# Altium PCB Thermostat.PCBDOC (part 1 of 5)
Units mil, origin at the board's own origin, x right, y up, seen from the top; angles counter-clockwise.
Board outline 4724.41 x 1988.19 mil, 4 copper layers (TOP, G1, L2, BOT), stack 61.023 mil thick; 417 components, 243 nets, 1244 pads, 695 vias.
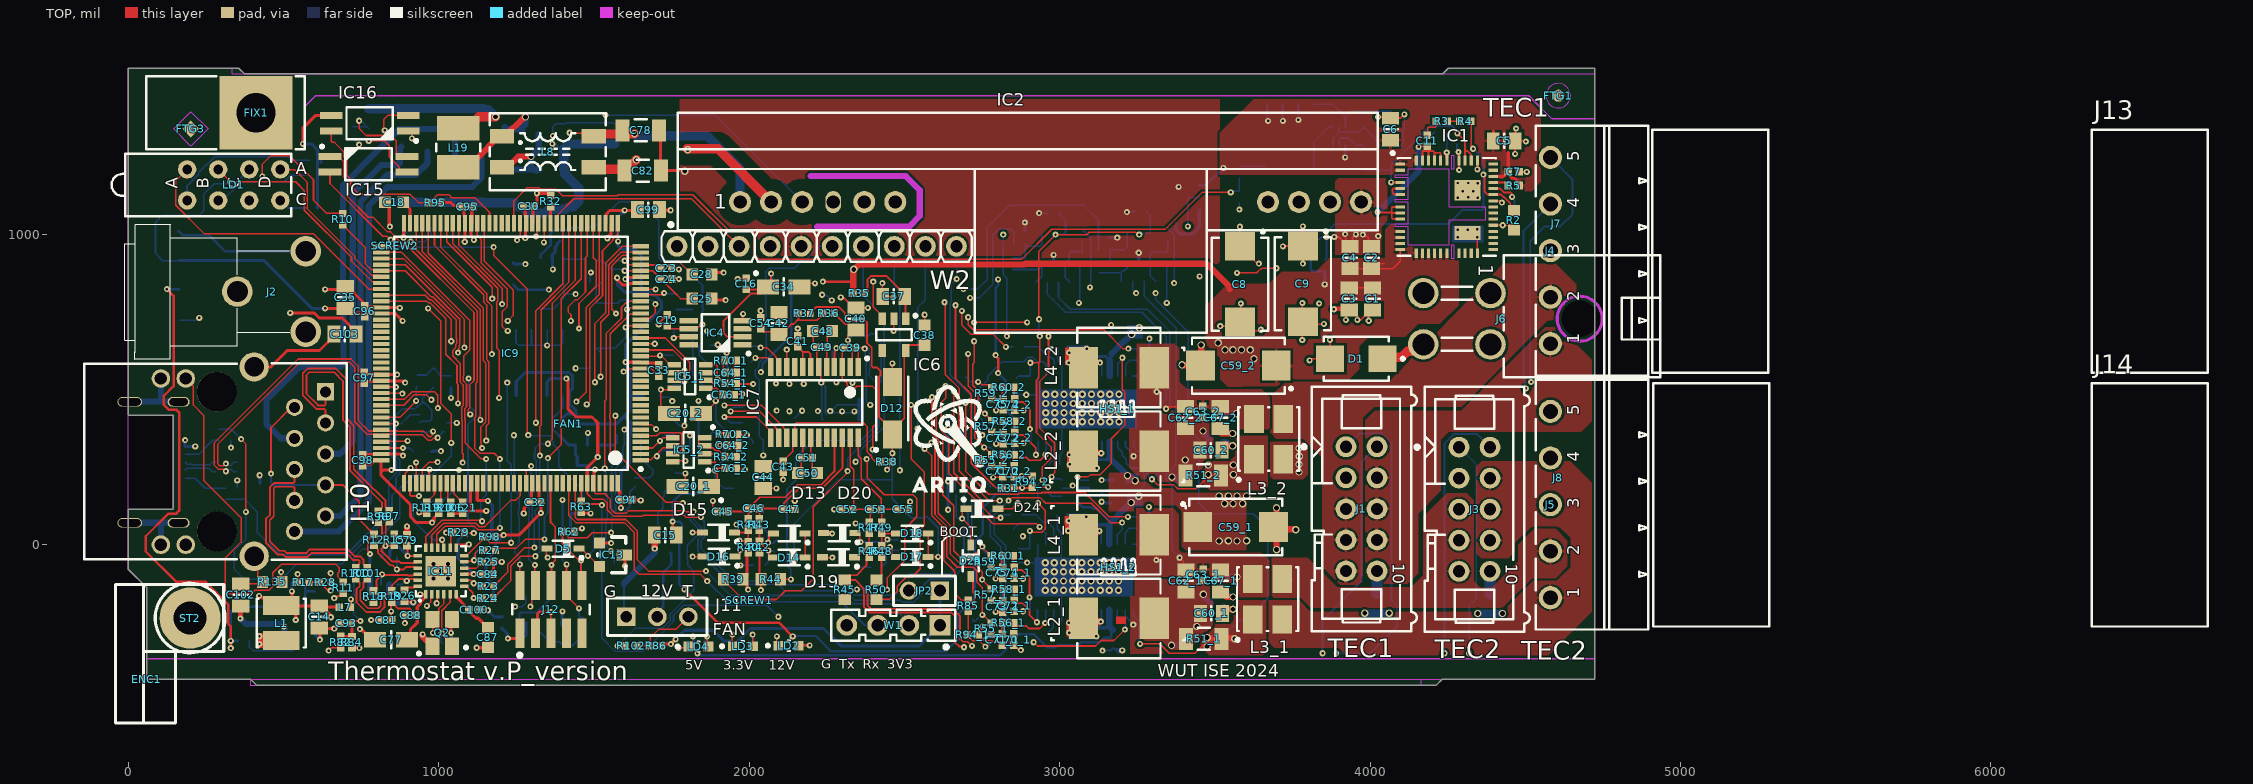
[diagram p0: TOP view]
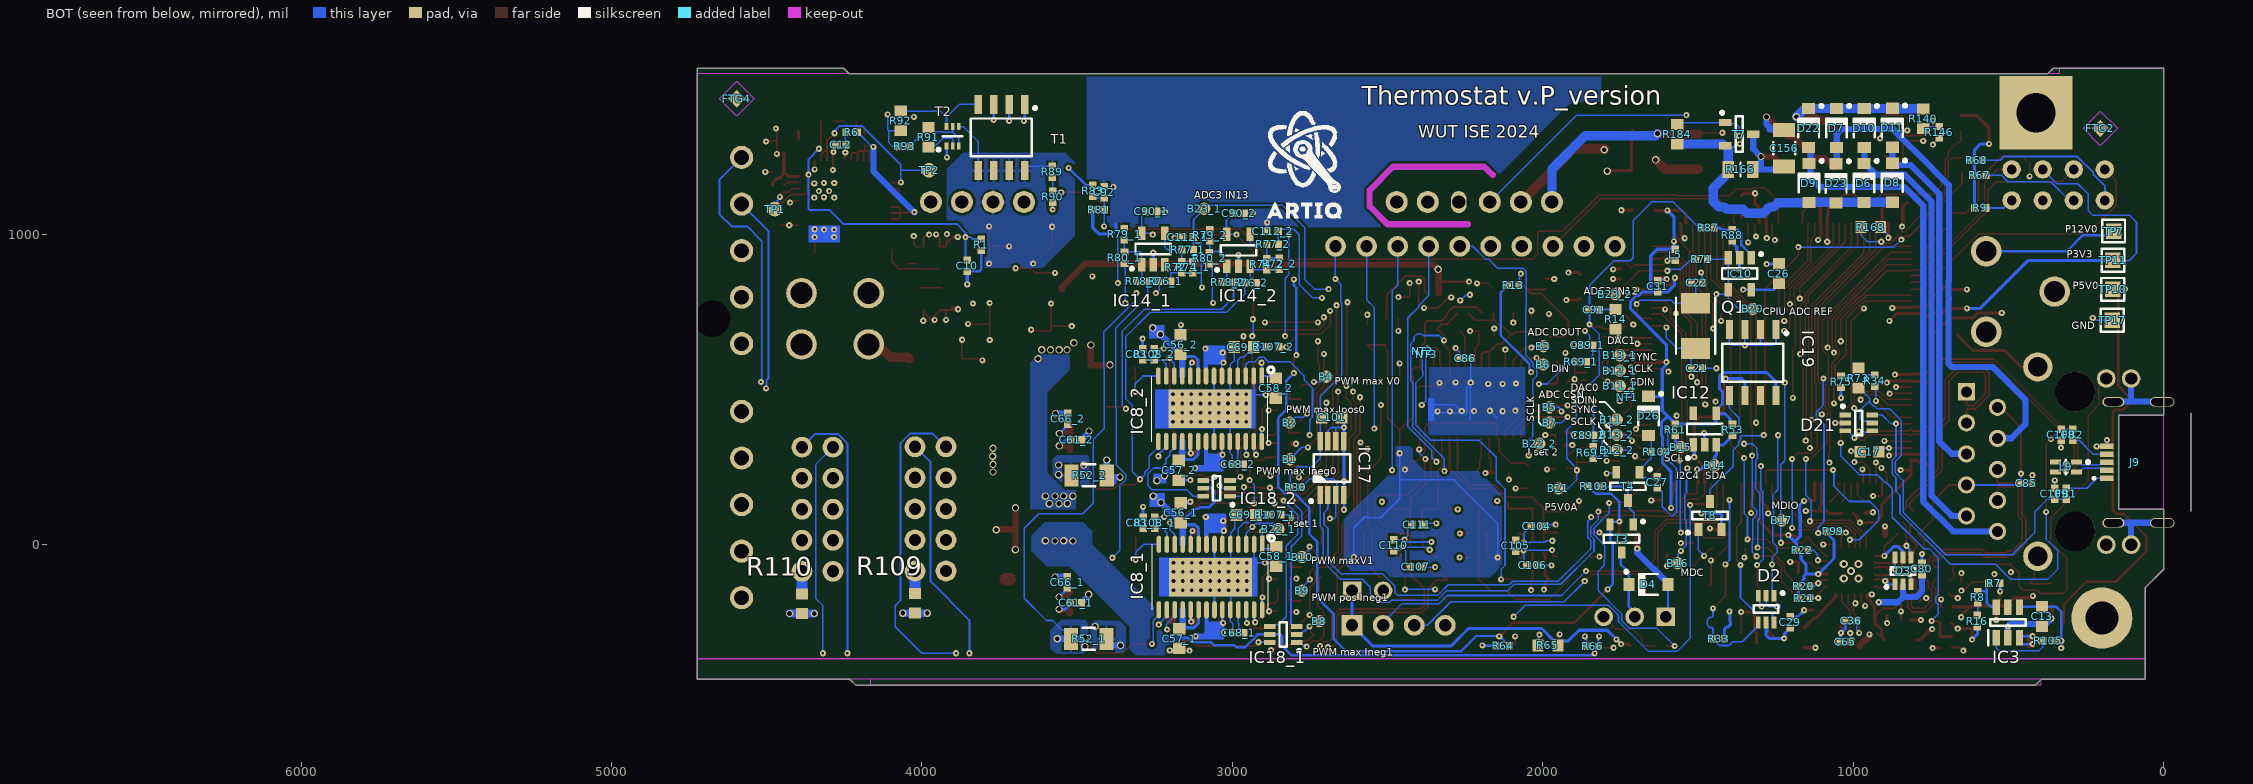
[diagram p1: BOT view, seen from below]
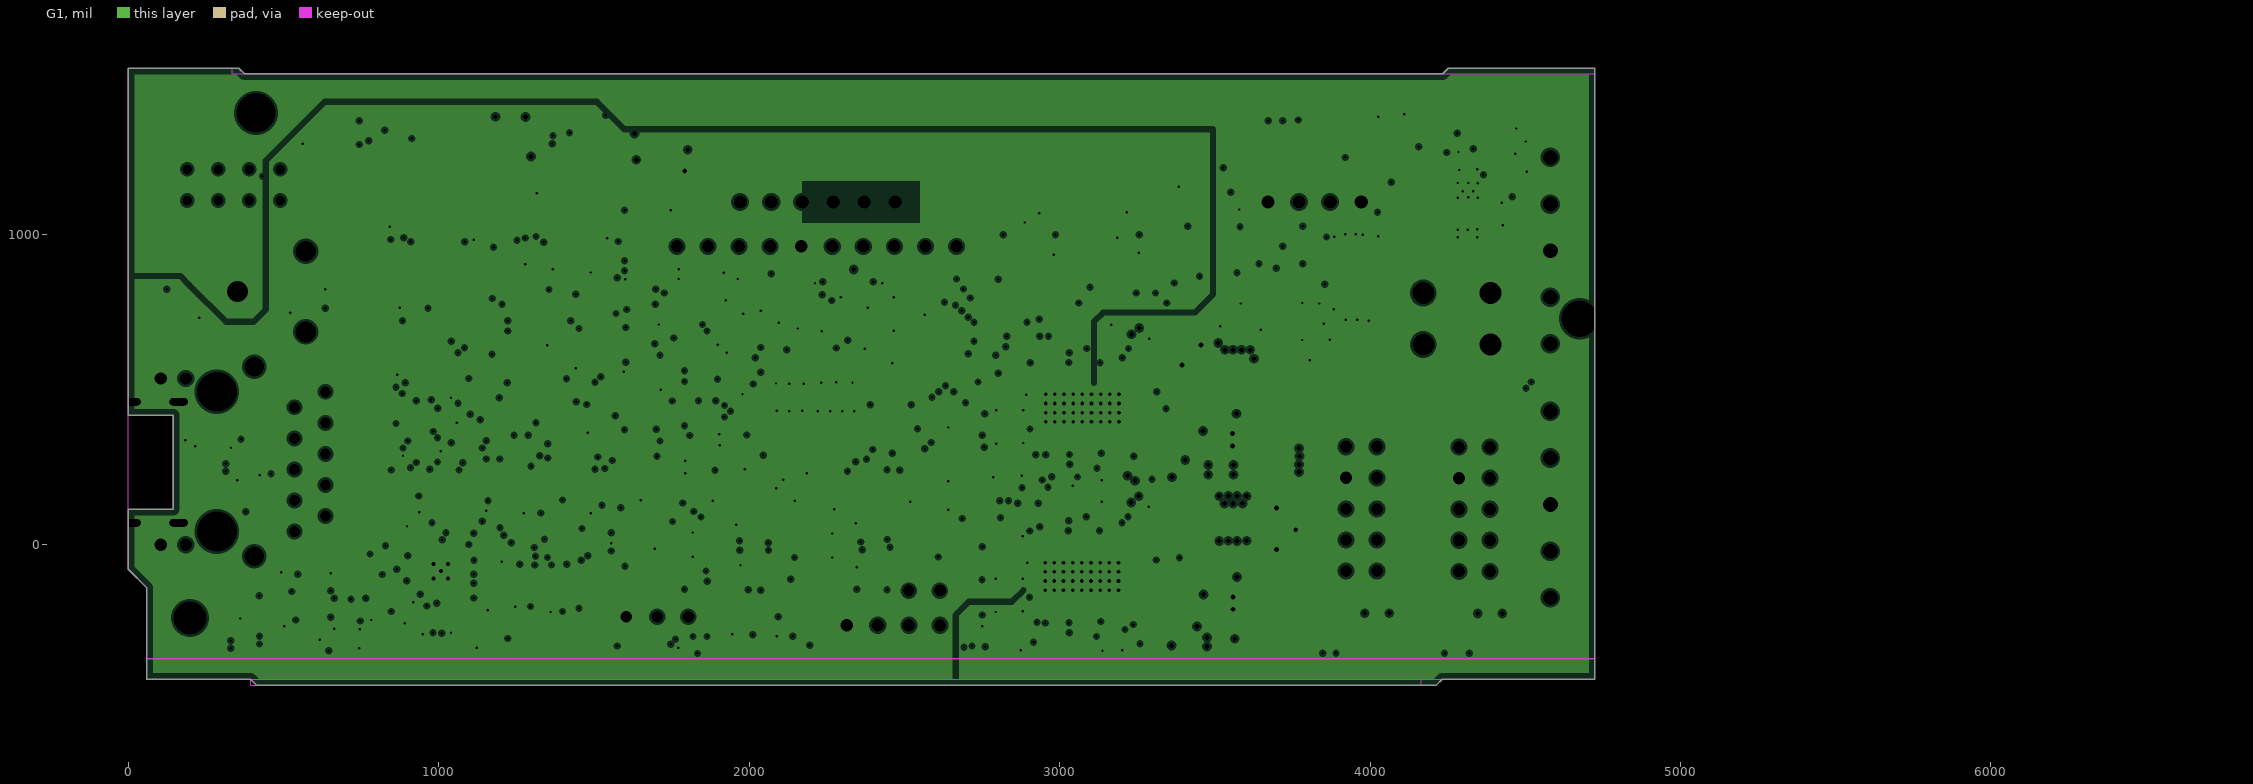
[diagram p2: G1, clearances drawn from the general rule]
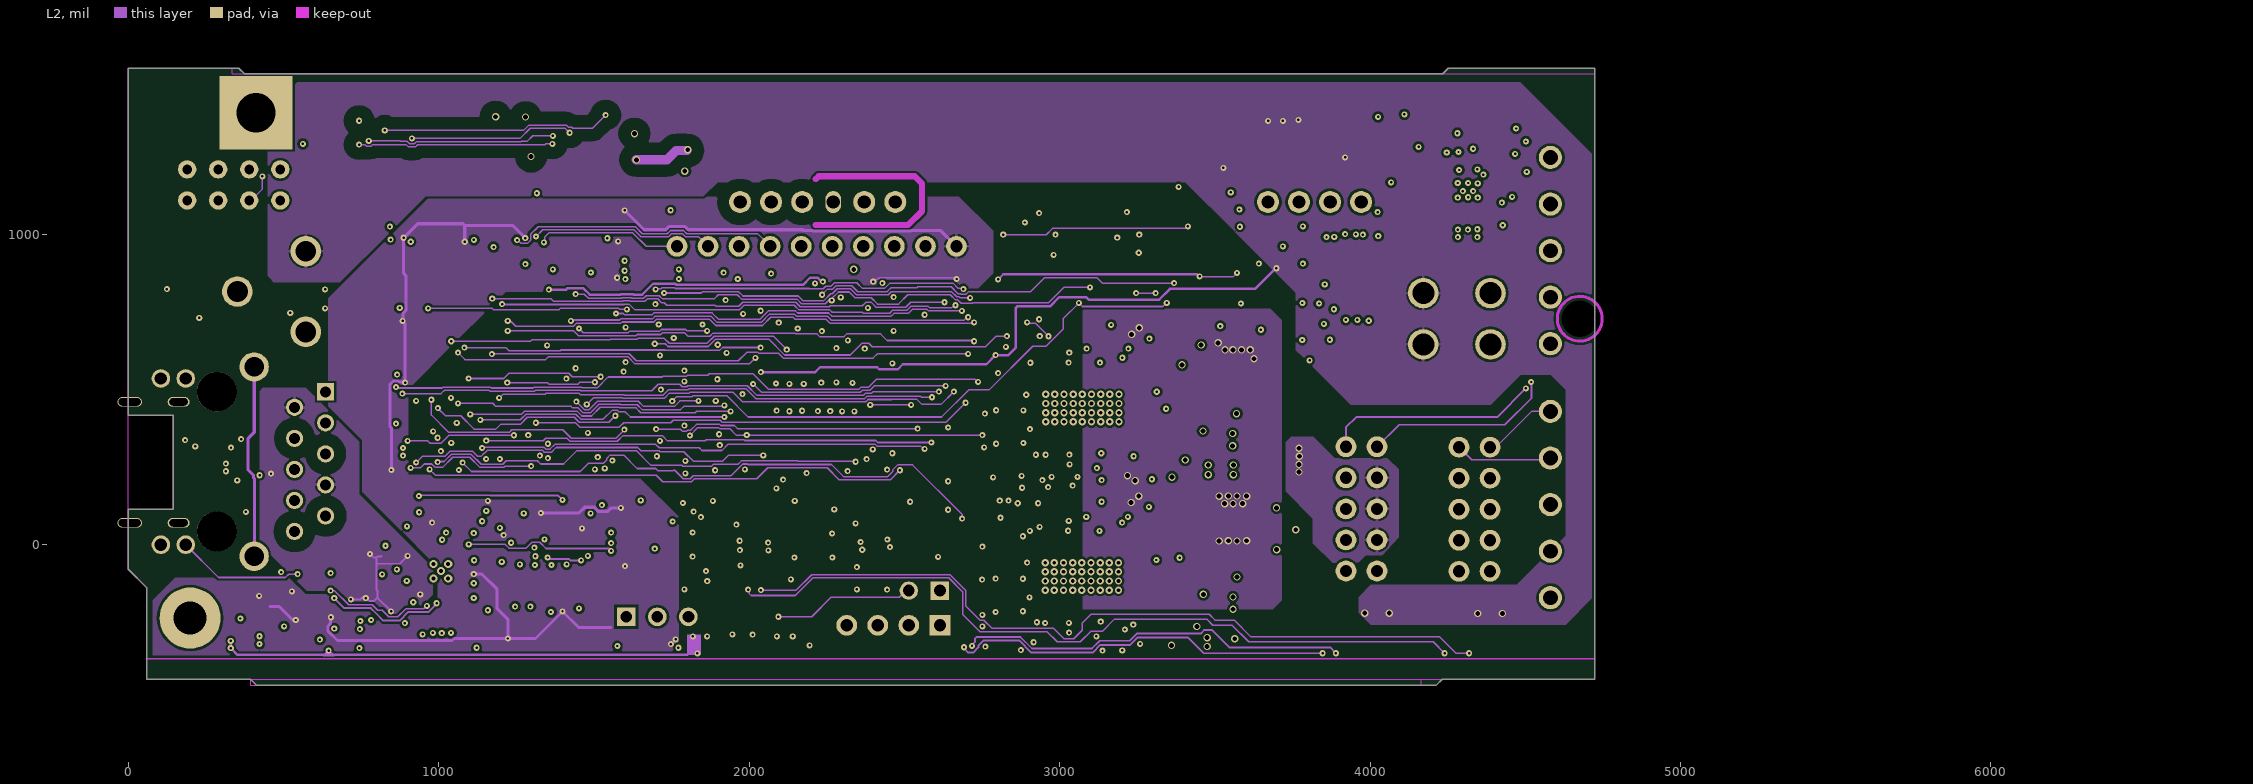
[diagram p3: L2]

## Layer stack, top to bottom
TopSolder: solder mask 0.3937, Solder Resist, Dk 3.5
TOP: signal copper 1.3778
Dielectric1: prepreg 7.0866, FR-4, Dk 4.8
G1: plane copper 1.3779, net GND
Dielectric2: core 41.3386, Core-042, Dk 4.6
L2: signal copper 1.3779
Dielectric3: prepreg 7.0866, FR-4, Dk 4.8
BOT: signal copper 1.3778
BottomSolder: solder mask 0.3937, Solder Resist, Dk 3.5

## Board outline
59.06,-432.66 59.06,-137.8 0,-78.74 0,114.17 144.49,114.17 144.49,417.32 0,417.32 0,1535.43 355.83,1535.43 374.02,1517.25 4233.78,1517.25 4251.97,1535.43 4724.41,1535.43 4724.41,-432.66 4232.7,-432.66 4212.6,-452.76 413.8,-452.76 393.7,-432.66

## Design rules (kind name [scope] priority, off if disabled: settings)
AcuteAngle [All] p1: minimum=6.00000000000000E+0001 checktracksonly=FALSE
Clearance Clearance_USB [InComponent('J9') vs OnLayer('KeepOutLayer')] p1: gap=0 ignorepadtopadclearanceinfootprint=FALSE
Clearance Clearance_HV [InNetClass('HV') vs not InNetClass('HV')] p2: gap=39.37 ignorepadtopadclearanceinfootprint=FALSE
Clearance Clearance_balancing [InNamedPolygon('balancing')] p3: gap=50 ignorepadtopadclearanceinfootprint=FALSE except(25: Via-Via Via-Fill Via-Poly Via-Region Via-Text Via-Hole)
Clearance Clearance_DIFF [(InDifferentialPairClass('All Differential Pairs')and IsTrack ) vs (InDifferentialPairClass('All Differential Pairs') and IsTrack  )] p4 off: gap=20 ignorepadtopadclearanceinfootprint=FALSE except(0: Arc-Hole Track-Hole SMDPad-Hole THPad-Hole Via-Hole Fill-Hole Poly-Hole Region-Hole Text-Hole; 5: SMDPad-SMDPad SMDPad-THPad SMDPad-Via SMDPad-Fill SMDPad-Poly SMDPad-Region SMDPad-Text THPad-THPad THPad-Via THPad-Fill THPad-Poly THPad-Region THPad-Text Via-Via Via-Fill Via-Poly Via-Region Via-Text)
Clearance [All] p5: gap=5 ignorepadtopadclearanceinfootprint=FALSE except(0: Arc-Hole Track-Hole SMDPad-Hole THPad-Hole Via-Hole Fill-Hole Poly-Hole Region-Hole Text-Hole; 8: Arc-Poly Track-Poly SMDPad-Poly THPad-Poly Via-Poly Fill-Poly Poly-Poly)
ComponentClearance [All] p1: gap=0 collisioncheckmode=3 verticalgap=0 showdistances=FALSE
DiffPairsRouting [All] p1: maxlimit=6 minlimit=5 mostfreqgap=6 toplayer_minwidth=5 toplayer_maxwidth=6 toplayer_prefwidth=6 midlayer1_minwidth=5 midlayer1_maxwidth=6 midlayer1_prefwidth=6 bottomlayer_minwidth=5 bottomlayer_maxwidth=6 bottomlayer_prefwidth=6 maxuncoupledlength=500
FabricationTestPointUsage TestPointUsage [All] p1: valid=0 allowmultiple=FALSE
FabricationTestpoint Testpoint [All] p1: side=3 testpointundercomponent=TRUE minsize=40 maxsize=100 preferedsize=60 minholesize=20 maxholesize=40 preferedholesize=32 testpointgrid=1 allowsidetop=TRUE allowsidebottom=TRUE usegrid=TRUE gridtolerance=0.01
Height [All] p1: minheight=0 maxheight=1574.8 prefheight=1574.8
HoleSize [All] p1: absolutevalues=TRUE maxlimit=150 minlimit=1 maxpercent=80.000 minpercent=20.000
HoleToHoleClearance [All] p1: gap=1 allowstackedmicrovias=TRUE
MatchedLengths "Schematic Matched Net Lengths_3" [InNet('PHY_TD_P')] p1: tolerance=100 checknetsindiffpair=TRUE checkdiffpairvsdiffpair=FALSE checkxsignals=FALSE checkothers=FALSE
MatchedLengths "Schematic Matched Net Lengths_2" [InNet('PHY_RD_P')] p2: tolerance=100 checknetsindiffpair=TRUE checkdiffpairvsdiffpair=FALSE checkxsignals=FALSE checkothers=FALSE
MatchedLengths "Schematic Matched Net Lengths_1" [InNet('PHY_TD_N')] p3: tolerance=100 checknetsindiffpair=TRUE checkdiffpairvsdiffpair=FALSE checkxsignals=FALSE checkothers=FALSE
MatchedLengths "Schematic Matched Net Lengths" [InNet('PHY_RD_N')] p4: tolerance=100 checknetsindiffpair=TRUE checkdiffpairvsdiffpair=FALSE checkxsignals=FALSE checkothers=FALSE
MinimumSolderMaskSliver [All] p1: minsoldermaskwidth=0
PlaneClearance PlaneClearance_HV [InNetClass('HV')] p1: clearance=39.37
PlaneClearance [All] p2: clearance=7.87
PlaneConnect PlaneConnect_USB [InComponent('J9')] p1: planeconnectstyle=Direct reliefexpansion=10 reliefentries=4 reliefconductorwidth=10 reliefairgap=6
PlaneConnect [All] p2: pad.planeconnectstyle=Relief pad.reliefexpansion=10 pad.reliefentries=4 pad.reliefconductorwidth=10 pad.reliefairgap=6 via.planeconnectstyle=Direct via.reliefexpansion=20 via.reliefentries=4 via.reliefconductorwidth=10 via.reliefairgap=10
PolygonConnect PolygonConnect_pad [All] p1: thpad.connectstyle=Relief thpad.reliefconductorwidth=10 thpad.reliefentries=4 thpad.polygonreliefangle="90 Angle" thpad.airgapwidth=6 smdpad.connectstyle=Relief smdpad.reliefconductorwidth=10 smdpad.reliefentries=4 smdpad.polygonreliefangle="90 Angle" smdpad.airgapwidth=6 via.connectstyle=Direct via.reliefconductorwidth=10 via.reliefentries=4 via.polygonreliefangle="90 Angle" via.airgapwidth=6
RoomDefinition U_Thermostat_PSU [InComponentClass('U_Thermostat_PSU')] p1: confinementstyle=ConfineIn formatcopy=TRUE lockcomponents=FALSE outline -3940.94,-6452.76 -1940.94,-6452.76 -1940.94,-5452.76 -3940.94,-5452.76
RoomDefinition U_STM32_F4CPU [InComponentClass('U_STM32_F4CPU')] p2: confinementstyle=ConfineIn formatcopy=TRUE lockcomponents=FALSE outline 36,-467.76 702.13,-467.76 702.13,-345.47 36,-345.47
RoomDefinition RMII_Ethernet [InComponentClass('RMII_Ethernet')] p3: confinementstyle=ConfineIn formatcopy=TRUE lockcomponents=FALSE outline 1203.86,-399.62 -176.18,-399.62 -176.18,328.03 1203.86,328.03
RoomDefinition USB [InComponentClass('USB')] p4: confinementstyle=ConfineIn formatcopy=TRUE lockcomponents=FALSE outline 4645.67,1446.85 29.53,1446.85 29.53,-570.87 4645.67,-570.87
RoomDefinition U_TEC_driver2 [InComponentClass('U_TEC_driver2')] p5: confinementstyle=ConfineIn formatcopy=TRUE lockcomponents=FALSE outline 2683.19,719.24 2683.19,168.24 3772.68,168.24 3772.68,719.24
RoomDefinition U_TEC_driver1 [InComponentClass('U_TEC_driver1')] p6: confinementstyle=ConfineIn formatcopy=TRUE lockcomponents=FALSE outline 2681.67,177.24 2681.67,-373.76 3771.16,-373.76 3771.16,177.24
RoomDefinition U_AFE [InComponentClass('U_AFE')] p7: confinementstyle=ConfineIn formatcopy=TRUE lockcomponents=FALSE outline 1802.38,879.24 2643,879.24 2643,-160.92 1802.38,-160.92
RoomDefinition Thermostat [InComponentClass('Thermostat')] p8 off: confinementstyle=ConfineIn formatcopy=TRUE lockcomponents=FALSE outline 2719,1428.24 3593.01,1428.24 3593.01,1295.24 2719,1295.24
RoutingVias [All] p1: holewidth=7.87 width=19.68 viastyle="Through Hole" minholewidth=7.87 minwidth=19.68 maxholewidth=39.37 maxwidth=78.74
SilkToSilkClearance [All] p1: silktosilkclearance=0
SilkToSolderMaskClearance SilkscreenOverComponentPads [IsPad] p1: minsilkscreentomaskgap=0 clearancetoexposedcopper=TRUE
SolderMaskExpansion SolderMaskExpansion_VIA [IsVia] p1: expansion=4 istentingtop=TRUE
SolderMaskExpansion [All] p2: expansion=2 istentingtop=FALSE
SupplyNets "Schematic Supply Nets_9" [InNet('P12V0')] p1: voltage=0.000
SupplyNets "Schematic Supply Nets_8" [InNet('P3V3DVDD')] p2: voltage=0.000
SupplyNets "Schematic Supply Nets_7" [InNet('GND')] p3: voltage=0.000
SupplyNets "Schematic Supply Nets_6" [InNet('P3V3')] p4: voltage=0.000
SupplyNets "Schematic Supply Nets_5" [InNet('P5V0')] p5: voltage=0.000
SupplyNets "Schematic Supply Nets_4" [InNet('P3V3A')] p6: voltage=0.000
SupplyNets "Schematic Supply Nets_3" [InNet('P3V3AVDD')] p7: voltage=0.000
SupplyNets "Schematic Supply Nets_2" [InNet('AVDDT_PHY')] p8: voltage=0.000
SupplyNets "Schematic Supply Nets_1" [InNet('P5V0A')] p9: voltage=0.000
SupplyNets "Schematic Supply Nets" [InNet('Vref+')] p10: voltage=0.000
ViasUnderSMD [All] p1: allowed=FALSE
Width [All] p1: maxlimit=50 minlimit=5 preferedwidth=5
18 further rules are at their usual default settings.

## Classes and differential pairs
component class Thermostat: B1 B2 B3 B4 B5 B6 B7 B8 B9 B10 B20 C101 D24 D25 IC17 J1 J3 J4 J5 J7 J8 J13 J14 LD1 R9 R10 R30 R31 R67 R68 R85 R109 R110
net class POWER: P5V0 P12V0
net class HV: NetC78_2 NetC82_2 NetC156_1 NetC156_2 NetIC2_3 NetIC15_3 NetIC15_4 POE_IN1 POE_IN2 POE_IN3 POE_IN4 POE_VC+ POE_VC-
component class USB: C108 C109 D21 FB1 FB2 J9 L9 R73 R75
component class U_STM32_F4CPU: B14 B15 C17 C18 C21 C22 C23 C24 C25 C26 C28 C29 C30 C31 C32 C33 C35 C92 C93 C94 C95 C96 C97 C98 C99 D2 D5 IC9 IC10 IC12 IC13 IC19 J12 JP2 L5 NT1 Q1 R32 R33 R34 R53 R61 R62 R63 R71 R81 R82 R83 R84 R87 R88 R106 R119 R120 R121 W1 W2
channel class TEC_driver: U_TEC_driver1 U_TEC_driver2
component class U_TEC_driver2: B11_2 B12_2 B13_2 B22_2 B23_2 C20_2 C41_2 C56_2 C57_2 C58_2 C59_2 C60_2 C61_2 C62_2 C63_2 C64_2 C66_2 C67_2 C68_2 C69_2 C70_2 C71_2 C72_2 C73_2 C74_2 C75_2 C76_2 C83_2 C89_2 C90_2 C112_2 HS1_2 IC5_2 IC8_2 IC14_2 IC18_2 L2_2 L3_2 L4_2 R51_2 R52_2 R54_2 R55_2 R56_2 R57_2 R58_2 R59_2 R60_2 R69_2 R70_2 R72_2 R74_2 R76_2 R77_2 R78_2 R79_2 R80_2 R94_2 R107_2 R108_2
component class U_TEC_driver1: B11_1 B12_1 B13_1 B22_1 B23_1 C20_1 C41_1 C56_1 C57_1 C58_1 C59_1 C60_1 C61_1 C62_1 C63_1 C64_1 C66_1 C67_1 C68_1 C69_1 C70_1 C71_1 C72_1 C73_1 C74_1 C75_1 C76_1 C83_1 C89_1 C90_1 C112_1 HS1_1 IC5_1 IC8_1 IC14_1 IC18_1 L2_1 L3_1 L4_1 R51_1 R52_1 R54_1 R55_1 R56_1 R57_1 R58_1 R59_1 R60_1 R69_1 R70_1 R72_1 R74_1 R76_1 R77_1 R78_1 R79_1 R80_1 R94_1 R107_1 R108_1
component class U_AFE: C37 C38 C39 C40 C41 C42 C43 C44 C45 C46 C47 C48 C49 C50 C51 C52 C53 C54 C55 C86 C104 C105 C106 C107 C110 C111 D12 D13 D14 D15 D16 D17 D18 D19 D20 IC6 IC7 NT2 NT3 R35 R36 R37 R38 R39 R40 R41 R42 R43 R44 R45 R46 R47 R48 R49 R50
component class RMII_Ethernet: B16 B17 C36 C65 C77 C79 C80 C81 C84 C85 C87 C88 C100 C102 C103 D3 D6 D7 D8 D9 D10 D11 D22 D23 IC11 J10 L7 Q2 R11 R12 R15 R17 R18 R19 R20 R21 R22 R23 R24 R25 R26 R27 R28 R29 R96 R97 R98 R99 R100 R101 R135
component class U_Thermostat_PSU: B21 C1 C2 C3 C4 C5 C6 C7 C8 C9 C10 C11 C12 C13 C14 C15 C16 C19 C27 C34 C78 C82 C91 C156 D1 D4 D26 ENC1 FAN1 FIX1 FTG1 FTG2 FTG3 FTG4 IC1 IC2 IC3 IC4 IC15 IC16 J2 J6 J11 L1 L8 L19 LD2 LD3 LD4 R1 R2 R3 R4 R5 R6 R7 R8 R13 R14 R16 R64 R65 R66 R86 R89 R90 R91 R92 R93 R95 R102 R103 R104 R105 R140 R146 R166 R168 R184 SCREW1 SCREW2 ST2 T1 T2 T3 T4 T7 T8 TP1 TP2 TP7 TP10 TP11 TP17
differential pair PHY_TDR: +PHY_TDR_P -PHY_TDR_N
differential pair PHY_RDR: +PHY_RDR_P -PHY_RDR_N
differential pair USB: +USB_P -USB_N
differential pair USBJ: +USBJ_P -USBJ_N
differential pair PHY_TD: +PHY_TD_P -PHY_TD_N
differential pair PHY_RD: +PHY_RD_P -PHY_RD_N

## Components (designator, comment, footprint, x,y, rotation, side; value= is the part's Value field where it differs from the comment)
B1 "SMD Pad" C100 2814.96,275.59 r180 bottom
B2 "SMD Pad" C100 2814.96,393.7 r180 bottom
B3 "SMD Pad" C100 1998.03,639.76 r180 bottom
B4 "SMD Pad" C100 2696.85,541.34 r180 bottom
B5 "SMD Pad" C100 1978.35,442.91 r180 bottom
B6 "SMD Pad" C100 1998.03,580.71 r180 bottom
B7 "SMD Pad" C100 1978.35,393.7 r180 bottom
B8 "SMD Pad" C100 2719.72,-245.85 r180 bottom
B9 "SMD Pad" C100 2775.59,-147.64 r180 bottom
B10 "SMD Pad" C100 2775.59,-39.37 r180 bottom
B11_1 "SMD Pad" C100 1751.97,511.81 r90 bottom (schematic designator B11)
B11_2 "SMD Pad" C100 1761.81,403.54 r180 bottom (schematic designator B11)
B12_1 "SMD Pad" C100 1751.97,561.02 r90 bottom (schematic designator B12)
B12_2 "SMD Pad" C100 1761.81,305.12 r180 bottom (schematic designator B12)
B13_1 "SMD Pad" C100 1751.97,610.24 r90 bottom (schematic designator B13)
B13_2 "SMD Pad" C100 1761.81,354.33 r180 bottom (schematic designator B13)
B14 "SMD Pad" C100 1446.85,255.91 r180 bottom
B15 "SMD Pad" C100 1555.12,314.96 r180 bottom
B16 "SMD Pad" C100 1564.96,-59.06 r180 bottom
B17 "SMD Pad" C100 1230.32,78.74 r180 bottom
B20 "SMD Pad" C100 1323.82,760.15 r90 bottom
B21 "SMD Pad" C100 1949.61,181.87 r90 bottom
B22_1 "SMD Pad" C100 2851.57,50.73 r180 bottom (schematic designator B22)
B22_2 "SMD Pad" C100 2011.24,325.66 r90 bottom (schematic designator B22)
B23_1 "SMD Pad" C100 3090.55,1082.68 r180 bottom (schematic designator B23)
B23_2 "SMD Pad" C100 1767.52,807.43 r90 bottom (schematic designator B23)
C1 "10uF" CAPC2012X135N 4008.02,792.06 r90 top
C2 "10uF" CAPC2012X135N 4005.02,925.06 r270 top
C3 "10uF" CAPC2012X135N 3933.02,792.06 r90 top
C4 "10uF" CAPC2012X135N 3935.02,925.06 r270 top
C5 "10uF" CAPC2012X135N 4432.09,1301.18 r180 top
C6 "10uF" CAPC2012X135N 4065.82,1338.46 r270 top
C7 "100nF" CAPC1005X55N 4462.59,1201.67 r180 top
C8 "220uF" CAPMP7343X430N 3580.71,839.57 r270 top
C9 "220uF" CAPMP7343X430N 3783.46,840.55 r270 top
C10 "1nF" CAPC1005X55N 3853.88,899.61 r270 bottom
C11 "100nF" CAPC1005X55N 4184.06,1301.18 r270 top
C12 "15pF" CAPC1005X55N 4261.81,1289.37 r180 bottom
C13 "1uF" CAPC1608X87N 391.54,-230.3 r90 bottom
C14 "10uF" CAPC2012X135N 615.16,-232.28 r270 top
C15 "10uF" CAPC2012X135N 1729.69,31.31 r0 top
C16 "100nF" CAPC1005X55N 1990.16,840.55 r90 top
C17 "2.2uF" CAPC1608X90N 947.83,300.2 r180 bottom
C18 "2.2uF" CAPC1608X90N 856.3,1103.35 r0 top
C19 "100nF" CAPC1005X55N 1736.22,723.43 r90 top
C20_1 "10uF" CAPMP3216X180N 1819.88,187.99 r180 top (schematic designator C20)
C20_2 "10uF" CAPMP3216X180N 1793.31,423.23 r180 top (schematic designator C20)
C21 "12pF" CAPC1005X55N 1503.94,568.9 r180 bottom
C22 "12pF" CAPC1005X55N 1503.94,844.49 r180 bottom
C23 "10nF" CAPC1005X55N 1733.27,891.73 r180 top
C24 "10nF" CAPC1005X55N 1733.27,856.3 r180 top
C25 "1uF" CAPC1608X87N 1847.44,793.31 r180 top
C26 "1uF" CAPC1608X87N 1239.32,873.59 r90 bottom
C27 "100nF" CAPC1005X55N 1631.85,202.21 r90 bottom
C28 "1uF" CAPC1608X87N 1847.44,871.06 r180 top
C29 "100nF" CAPC1005X55N 1202.76,-250 r90 bottom
C30 "100nF" CAPC1005X55N 1289.37,1090.55 r0 top
C31 "100nF" CAPC1005X55N 1629.92,832.68 r90 bottom
C32 "100nF" CAPC1005X55N 1311.02,136.81 r180 top
C33 "100nF" CAPC1005X55N 1708.39,561.71 r270 top
C34 "10uF" CAPMP3216X180N 2111.22,830.71 r0 top
C35 "10uF" CAPC2012X135N 698.82,797.24 r90 top
C36 "18pF" CAPC1005X55N 1006.89,-245.08 r180 bottom
C37 "10uF" CAPC2012X135N 2465.85,800.09 r180 top
C38 "1uF" CAPC1608X87N 2565,675.35 r270 top
C39 "100nF" CAPC1005X55N 2325.74,634.21 r0 top
C40 "10uF" CAPC2012X135N 2343.46,728 r90 top
C41 "100nF" CAPC1005X55N 2156.45,655.35 r90 top
C42 "10uF" CAPC2012X135N 2095.53,713.37 r90 top
C43 "100nF" CAPC1005X55N 2109.21,251.98 r270 top
C44 "10uF" CAPC2012X135N 2045.22,217.31 r270 top
C45 "10nF" CAPC1005X55N 1914.72,107.33 r180 top
C46 "100nF" CAPC1005X55N 2015.34,117.17 r0 top
C47 "10nF" CAPC1005X55N 2128.99,114.33 r180 top
C48 "1uF" CAPC1608X87N 2236.14,688.47 r0 top
C49 "100nF" CAPC1005X55N 2233.85,636.48 r180 top
C50 "1uF" CAPC1608X87N 2187.95,231.09 r0 top
C51 "100nF" CAPC1005X55N 2185.75,280.3 r180 top
C52 "10nF" CAPC1005X55N 2315.36,113.99 r180 top
C53 "100nF" CAPC1005X55N 2407.36,113.99 r0 top
C54 "100nF" CAPC1005X55N 2037,713.24 r90 top
C55 "10nF" CAPC1005X55N 2496.86,113.99 r180 top
C56_1 "1uF" CAPC1608X87N 3165.93,103.13 r270 bottom (schematic designator C56)
C56_2 "1uF" CAPC1608X87N 3167.45,645.13 r270 bottom (schematic designator C56)
C57_1 "1uF" CAPC1608X87N 3171.38,-301.9 r90 bottom (schematic designator C57)
C57_2 "1uF" CAPC1608X87N 3172.89,240.1 r90 bottom (schematic designator C57)
C58_1 "1uF" CAPC1608X87N 2858.36,-37.37 r90 bottom (schematic designator C58)
C58_2 "1uF" CAPC1608X87N 2859.88,504.63 r90 bottom (schematic designator C58)
C59_1 "220uF" CAPMP7343X430N 3567,57.24 r0 top (schematic designator C59)
C59_2 "220uF" CAPMP7343X430N 3575.87,577.06 r180 top (schematic designator C59)
C60_1 "10uF" CAPC2012X135N 3488.64,-220.98 r0 top (schematic designator C60)
C60_2 "10uF" CAPC2012X135N 3487.2,305.27 r0 top (schematic designator C60)
C61_1 "100nF" CAPC1005X55N 3504.39,-187.06 r180 bottom (schematic designator C61)
C61_2 "100nF" CAPC1005X55N 3502.95,339.19 r180 bottom (schematic designator C61)
C62_1 "10uF" CAPC2012X135N 3406.46,-116.25 r270 top (schematic designator C62)
C62_2 "10uF" CAPC2012X135N 3405.02,410 r270 top (schematic designator C62)
C63_1 "100nF" CAPC1005X55N 3463.05,-96.92 r90 top (schematic designator C63)
C63_2 "100nF" CAPC1005X55N 3461.61,429.33 r90 top (schematic designator C63)
C64_1 "100nF" CAPC1005X55N 1940,555.12 r180 top (schematic designator C64)
C64_2 "100nF" CAPC1005X55N 1945.51,320.07 r180 top (schematic designator C64)
C65 "18pF" CAPC1005X55N 1025.38,-312.78 r180 bottom
C66_1 "100nF" CAPC1005X55N 3531.95,-120.74 r270 bottom (schematic designator C66)
C66_2 "100nF" CAPC1005X55N 3530.51,405.51 r270 bottom (schematic designator C66)
C67_1 "10uF" CAPC2012X135N 3518.59,-116.25 r90 top (schematic designator C67)
C67_2 "10uF" CAPC2012X135N 3517.15,410 r90 top (schematic designator C67)
C68_1 "10nF" CAPC1005X55N 2980.8,-282.5 r180 bottom (schematic designator C68)
C68_2 "10nF" CAPC1005X55N 2982.32,259.5 r180 bottom (schematic designator C68)
C69_1 "1uF" CAPC1608X87N 2955.21,96.24 r180 bottom (schematic designator C69)
C69_2 "1uF" CAPC1608X87N 2962.6,636.9 r180 bottom (schematic designator C69)
C70_1 "100nF" CAPC1005X55N 2851.87,-304.92 r270 top (schematic designator C70)
C70_2 "100nF" CAPC1005X55N 2853.39,237.08 r270 top (schematic designator C70)
C71_1 "100nF" CAPC1005X55N 2814.86,-304.92 r270 top (schematic designator C71)
C71_2 "100nF" CAPC1005X55N 2816.38,237.08 r270 top (schematic designator C71)
C72_1 "100nF" CAPC1005X55N 2854.36,-196.72 r270 top (schematic designator C72)